# Altium PCB Copy of Board_EP1C6T144I8N.PcbDoc (part 3 of 3)
Units mm, origin at the board's own origin, x right, y up, seen from the top; angles counter-clockwise.
Board outline 55 x 59 mm, 2 copper layers (Top Layer, Bottom Layer); 250 components, 211 nets, 1313 pads, 196 vias.
Unrouted connection lines stored in the file: 101.
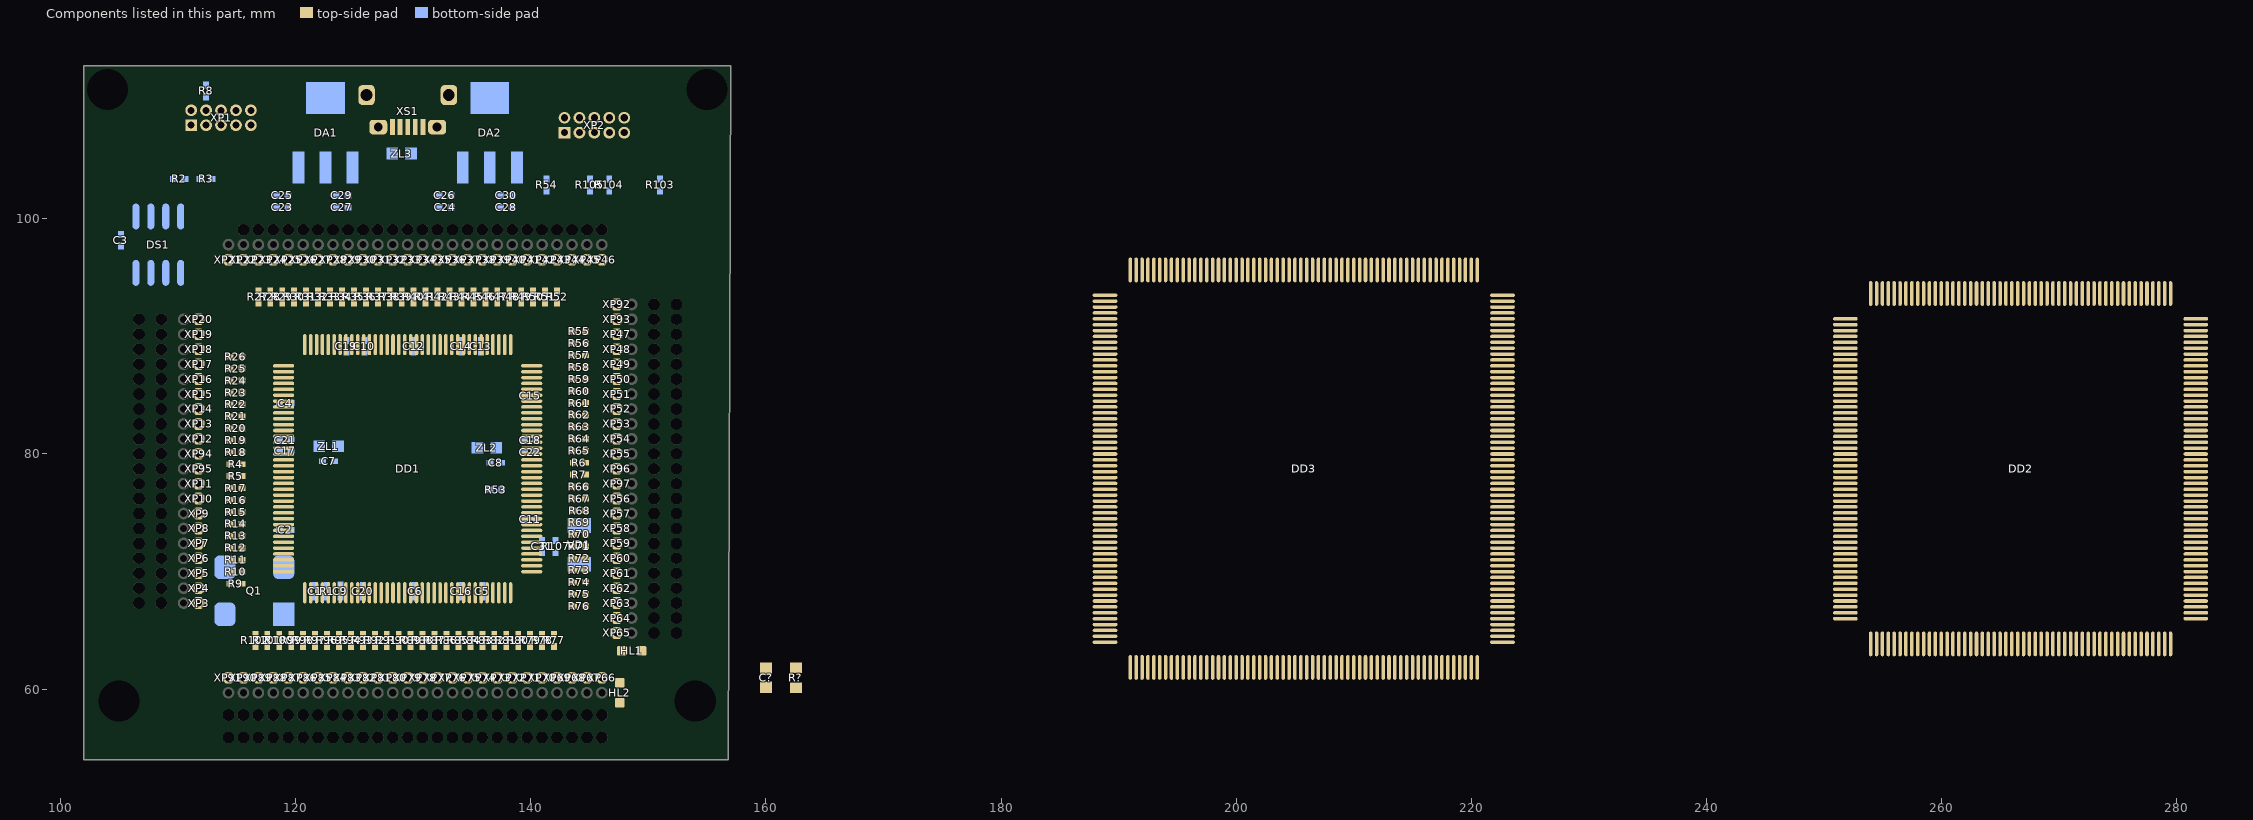
[diagram p3: the components of this part, seen from the top]

## Via types
v1: diameter 0.6, hole 0.3, Top Layer to Bottom Layer, tented both sides, 196 vias

## Nets (pads, with @x,y where several pads share a name; then routed paths per layer and width w, separated by ;. In a path a pad name is that pad's centre, name@x,y a point inside that pad or via, vN(x,y) a via of type N, cw(c..) or ccw(c..) an arc to the next point about the centre after c; other vN are vias at no path point) (continued)
pads on no net: C?.1 C?.2 DD1.20 DD2.1 DD2.2 DD2.3 DD2.4 DD2.7 DD2.8 DD2.9 DD2.10 DD2.11 DD2.12 DD2.13 DD2.14 DD2.15 DD2.16 DD2.17 DD2.18 DD2.19 DD2.24 DD2.25 DD2.26 DD2.27 DD2.28 DD2.29 DD2.30 DD2.31 DD2.36 DD2.37 DD2.38 DD2.39 DD2.40 DD2.41 DD2.44 DD2.45 DD2.46 DD2.47 DD2.50 DD2.51 DD2.52 DD2.53 DD2.54 DD2.55 DD2.56 DD2.57 DD2.58 DD2.60 DD2.61 DD2.62 DD2.63 DD2.64 DD2.65 DD2.67 DD2.68 DD2.69 DD2.70 DD2.71 DD2.73 DD2.74 DD2.75 DD2.78 DD2.79 DD2.80 DD2.83 DD2.85 DD2.86 DD2.87 DD2.88 DD2.89 DD2.90 DD2.92 DD2.93 DD2.94 DD2.95 DD2.96 DD2.97 DD2.99 DD2.100 DD2.101 DD2.102 DD2.103 DD2.104 DD2.105 DD2.107 DD2.108 DD2.111 DD2.112 DD2.113 DD2.114 DD2.115 DD2.116 DD2.119 DD2.120 DD2.121 DD2.122 DD2.125 DD2.126 DD2.127 DD2.128 DD2.131 DD2.132 DD2.133 DD2.134 DD2.135 DD2.136 DD2.139 DD2.140 DD2.141 DD2.142 DD2.143 DD2.144 DD2.147 DD2.148 DD2.149 DD2.150 DD2.153 DD2.154 DD2.155 DD2.156 DD2.157 DD2.158 DD2.159 DD2.160 DD2.161 DD2.162 DD2.163 DD2.164 DD2.166 DD2.167 DD2.168 DD2.169 DD2.170 DD2.172 DD2.173 DD2.174 DD2.175 DD2.176 DD2.177 DD2.179 DD2.180 DD2.182 DD2.183 DD2.184 DD2.186 DD2.187 DD2.189 DD2.190 DD2.191 DD2.192 DD2.193 DD2.195 DD2.196 DD2.197 DD2.198 DD2.199 DD2.200 DD2.202 DD2.203 DD2.204 DD2.205 DD2.206 DD2.207 DD2.208 DD3.1 DD3.2 DD3.3 DD3.4 DD3.6 DD3.7 DD3.8 DD3.9 DD3.11 DD3.12 DD3.13 DD3.14 DD3.15 DD3.17 DD3.18 DD3.19 DD3.20 DD3.21 DD3.23 DD3.24 DD3.25 DD3.26 DD3.28 DD3.29 DD3.30 DD3.31 DD3.33 DD3.34 DD3.35 DD3.36 DD3.38 DD3.39 DD3.40 DD3.41 DD3.43 DD3.44 DD3.45 DD3.46 DD3.48 DD3.49 DD3.50 DD3.51 DD3.53 DD3.54 DD3.55 DD3.56 DD3.58 DD3.59 DD3.60 DD3.61 DD3.62 DD3.63 DD3.64 DD3.65 DD3.66 DD3.67 DD3.68 DD3.70 DD3.71 DD3.72 DD3.73 DD3.74 DD3.75 DD3.76 DD3.78 DD3.79 DD3.80 DD3.81 DD3.82 DD3.83 DD3.84 DD3.86 DD3.87 DD3.88 DD3.90 DD3.91 DD3.92 DD3.94 DD3.95 DD3.97 DD3.98 DD3.99 DD3.100 DD3.101 DD3.102 DD3.103 DD3.105 DD3.106 DD3.107 DD3.108 DD3.109 DD3.110 DD3.111 DD3.113 DD3.114 DD3.115 DD3.116 DD3.117 DD3.118 DD3.119 DD3.120 DD3.121 DD3.123 DD3.124 DD3.126 DD3.127 DD3.128 DD3.129 DD3.131 DD3.132 DD3.133 DD3.134 DD3.136 DD3.137 DD3.138 DD3.139 DD3.141 DD3.142 DD3.143 DD3.144 DD3.146 DD3.147 DD3.148 DD3.149 DD3.151 DD3.152 DD3.153 DD3.154 DD3.156 DD3.157 DD3.158 DD3.159 DD3.161 DD3.162 DD3.163 DD3.164 DD3.166 DD3.167 DD3.168 DD3.169 DD3.171 DD3.172 DD3.173 DD3.174 DD3.175 DD3.177 DD3.178 DD3.179 DD3.180 DD3.181 DD3.182 DD3.183 DD3.184 DD3.185 DD3.186 DD3.187 DD3.188 DD3.190 DD3.191 DD3.192 DD3.193 DD3.194 DD3.195 DD3.196 DD3.198 DD3.199 DD3.200 DD3.201 DD3.202 DD3.203 DD3.204 DD3.206 DD3.207 DD3.208 DD3.209 DD3.210 DD3.211 DD3.212 DD3.213 DD3.214 DD3.215 DD3.217 DD3.218 DD3.219 DD3.220 DD3.221 DD3.222 DD3.223 DD3.225 DD3.226 DD3.227 DD3.228 DD3.229 DD3.230 DD3.231 DD3.233 DD3.234 DD3.235 DD3.236 DD3.237 DD3.238 DD3.239 DD3.240 HL1.0 HL2.0 R?.1 R?.2 XP2.6 XP2.7 XP2.8 XS1.2 XS1.3 XS1.4 XS1.6

## Polygon pours and split planes (outlines as drawn)
GND on Top Layer "GND_L01_P002" (solid, remove dead copper, pour order 2): 102,113 157,113 157,54 102,54
GND on Bottom Layer "GND_L02_P004" (solid, remove dead copper, pour order 4): 102,113 157,113 157,54 102,54

## Silkscreen, mask and mechanical layers (free items; w line width, h text height)
Mechanical 15:
  lines w0.1: 111.76,60.96 111.76,96.52 147.32,96.52 147.32,60.96 111.76,60.96 ; 114.935,64.135 144.145,64.135 144.145,93.345 114.935,93.345 114.935,64.135
  lines w0.254: 99.06,78.74 160.02,78.74 ; 129.54,50.8 129.54,114.3 ; 102,113 102,54 156.809,54 157.003,113 102,113 ; 102,113 102,113 ; 102,113 102,113